# Altium PCB PCB-SM01.PcbDoc (part 2 of 4)
Units mm, origin at the board's own origin, x right, y up, seen from the top; angles counter-clockwise.
Board outline 208.23 x 194.9 mm, 2 copper layers (Top Layer, Bottom Layer); 394 components, 287 nets, 1171 pads, 418 vias.
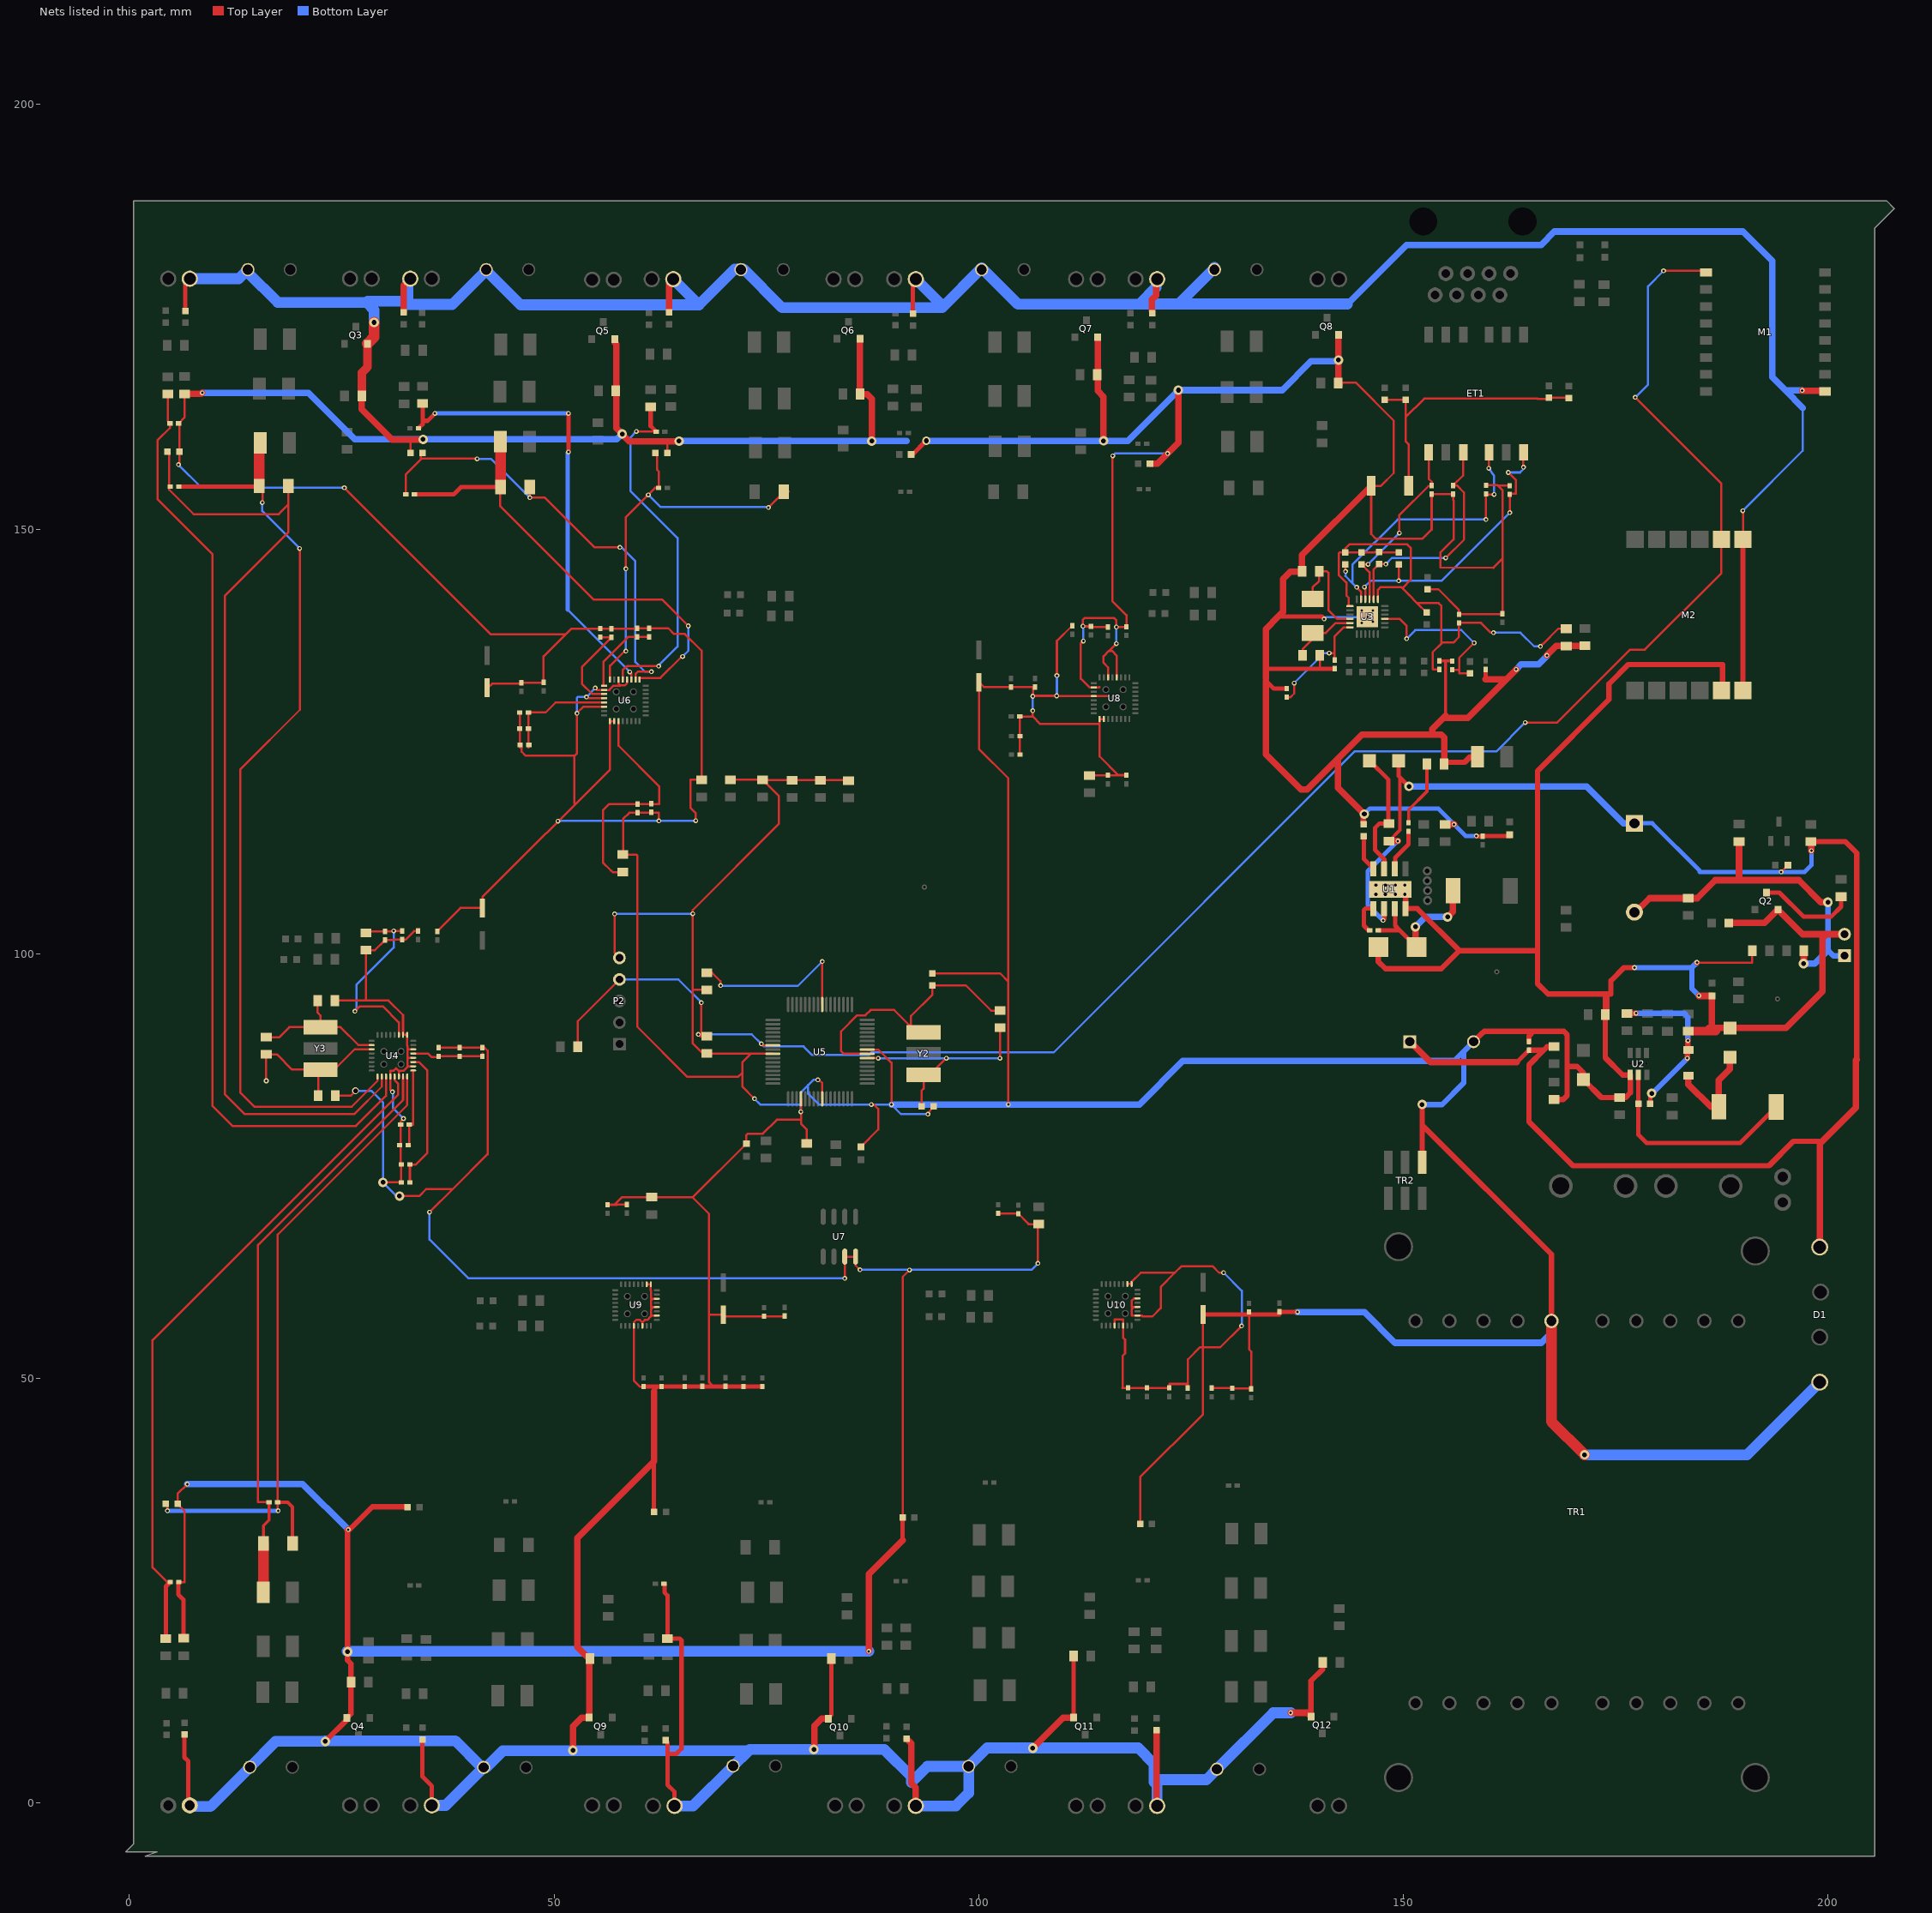
[diagram p2: the nets of this part, all layers, seen from the top]

## Via types
v1: diameter 0.559, hole 0.305, Top Layer to Bottom Layer, 383 vias
v2: diameter 1.118, hole 0.559, Top Layer to Bottom Layer, 31 vias
v3: diameter 0.813, hole 0.559, Top Layer to Bottom Layer, 3 vias
v4: diameter 0.965, hole 0.559, Top Layer to Bottom Layer, 1 vias

## Nets (pads, with @x,y where several pads share a name; then routed paths per layer and width w, separated by ;. In a path a pad name is that pad's centre, name@x,y a point inside that pad or via, vN(x,y) a via of type N, cw(c..) or ccw(c..) an arc to the next point about the centre after c; other vN are vias at no path point)
GND: BT1.2 C3.2 C4.2 C5.2 C6.2 C7.2 C10.2 C11.2 C12.2 C13.2 C14.2 C15.2 C16.2 C17.2 C18.2 C19.2 C20.2 C21.2 C22.2 C23.2 C24.2 C25.2 C26.2 C27.2 C28.2 C29.1 C30.2 C31.2 C32.2 C33.2 C34.2 C35.2 C36.2 C37.1 C38.1 C39.2 C40.2 C41.1 C42.1 C43.2 C44.2 C46.2 C47.2 C48.2 C49.2 C50.1 C51.2 C52.2 C53.2 C54.2 C56.2 C57.2 C58.2 C59.1 C60.1 C61.2 C62.2 C63.2 C64.2 C66.2 C67.2 C69.1 C71.2 C72.2 C73.2 C74.1 C76.2 C77.1 C78.2 C79.2 C80.2 C81.2 C82.2 C83.2 C85.2 C88.2 C89.2 C90.2 C91.2 C93.2 C94.2 C95.1 C97.2 C98.2 C99.2 C100.1 C101.2 C102.2 C104.1 C106.2 C107.2 C108.2 C109.2 C110.2 C111.1 C112.2 C113.2 C114.2 C115.2 C116.2 C117.2 C118.2 C122.2 C123.2 C124.2 C125.2 D1.4 D2.1 D4.2 D7.A D8.2 D15.2 D16.2 L5.1 L6.1 L8.1 L9.1 L11.1 L12.1 L14.1 L15.1 L17.1 L18.1 L20.1 L21.1 L23.1 L24.1 L26.1 L27.1 L29.1 L30.1 L32.1 L33.1 M1.15 M2.1 M2.11 M2.12 P1.2 P2.5 P3.2 P6.2 P8.2 P10.2 P12.2 P14.2 P16.2 P19.2 P21.2 pad.1@145.059,138.963 pad.1@145.085,140.411 pad.1@146.38,140.437 pad.1@146.406,139.09 Q2.E Q3.E Q4.E Q5.E Q6.E Q7.E Q8.E Q9.E Q10.E Q11.E Q12.E R6.2 R7.1 R8.1 R15.1 R16.2 R21.1 R37.1 R44.1 R53.1 R55.1 R63.1 R71.1 R83.1 R89.1 R97.1 R114.1 R116.1 R123.1 R127.1 R135.1 TB1.2 TB2.2 TB3.2 TB4.2 TB5.2 TB6.2 TB7.2 TB8.2 TB9.2 TB10.2 TR1.6 TR2.1 U1.4 U1.10 U1.11 U1.12 U1.13 U1.14 U1.15 U1.16 U1.17 U2.1 U3.25 U4.12 U4.14 U4.18 U4.20 U4.22 U4.25 U4.26 U5.9 U5.20 U5.25 U5.41 U6.12 U6.14 U6.18 U6.20 U6.22 U6.25 U6.26 U7.3 U7.4 U8.12 U8.14 U8.18 U8.20 U8.25 U8.26 U9.12 U9.14 U9.18 U9.20 U9.22 U9.25 U9.26 U10.12 U10.14 U10.18 U10.20 U10.22 U10.25 U10.26 | length 2662.2
  Top Layer w0.254: C50.1@5.761,25.973 C50.1@5.812,26.023 6.502,26.023 6.502,34.381 L9.1@5.666,35.218 5.666,36.418 v1(6.802,37.555) ; v1(5.761,157.595) 5.869,157.703 5.869,162.364 C37.1@5.786,162.447 6.498,163.158 R44.1@6.498,165.927 ; C57.2@24.176,94.476 24.176,94.488 27.813,94.488 ; C51.2@24.252,83.275 26.03,83.275 v3(26.614,83.859) ; v1(25.294,154.852) 25.299,154.858 42.526,137.631 51.379,137.631 ; v2(29.845,73.09) C52.2@31.999,73.09 C54.2@31.999,75.172 31.923,75.249 C56.2@31.923,79.871 31.923,80.259 v1(32.258,80.594) ; v1(30.958,83.732) 30.708,83.982 U4.12@30.708,85.549 30.708,86.233 31.108,86.233 31.388,86.512 31.708,86.192 ; U4.14@31.708,85.549 31.708,86.192 ; v2(31.801,71.476) 34.112,71.476 34.925,72.288 38.049,72.288 ; L12.1@33.091,158.942 33.091,160.44 33.168,160.516 ; U4.18@33.408,86.749 32.797,86.749 ; U4.20@33.408,87.749 32.715,87.749 ; U4.22@33.408,88.749 32.721,88.749 ; C32.2@33.955,102.681 33.955,102.667 33.514,102.667 32.512,101.665 C35.2@32.101,101.665 31.115,101.665 31.064,101.614 C29.1@30.094,101.614 28.9,100.42 C42.1@27.859,100.42 27.859,94.534 27.813,94.488 ; v1(35.331,69.571) 38.049,72.288 ; C31.2@36.241,102.63 36.241,102.671 38.955,105.385 C33.2@41.55,105.385 ; C30.2@36.419,88.939 C34.2@38.883,88.939 C38.1@41.55,88.939 41.82,88.939 42.164,88.595 42.164,76.403 38.049,72.288 ; C33.2@41.55,105.373 C33.2@41.55,105.385 ; C60.1@42.108,131.316 42.225,131.316 42.697,131.789 45.817,131.789 46.147,132.119 C58.2@46.147,131.916 48.712,131.916 C59.1@48.763,131.967 48.763,135.015 51.379,137.631 ; C66.2@45.944,128.411 C64.2@45.944,126.506 45.944,124.296 46.163,124.296 46.163,123.789 46.646,123.305 52.395,123.305 ; 52.395,117.729 52.395,123.305 ; v1(52.68,128.321) v1(52.68,128.321) v1@52.662,128.322 ; v1(53.797,130.226) 53.951,130.072 U6.20@55.871,130.072 ; v1(54.839,131.293) 55.059,131.072 U6.18@55.871,131.072 56.504,131.072 57.002,131.569 57.784,131.569 57.811,131.597 ; U6.22@55.871,129.072 53.412,129.072 v1@52.662,128.322 ; C98.2@56.282,70.448 57.113,70.448 ; U6.26@57.071,127.372 U6.25@56.571,127.372 56.571,121.701 41.55,106.68 C33.2@41.55,105.385 ; v1(57.12,104.687) 57.12,102.814 57.099,102.794 57.099,100.101 P2.5@57.683,99.517 ; U6.14@57.571,132.272 57.571,131.837 57.811,131.597 ; C67.2@58.085,111.672 C67.2@58.11,111.672 ; C93.2@58.542,70.473 57.404,70.473 57.379,70.448 57.113,70.448 ; U6.12@58.571,132.272 58.571,131.837 58.33,131.597 57.811,131.597 ; C109.2@60.385,49.01 60.133,49.01 59.384,49.759 U9.12@59.384,56.187 59.384,56.591 59.689,56.896 60.08,56.896 60.384,56.591 ; U9.14@60.384,56.187 60.384,56.591 ; U9.26@60.884,61.087 U9.25@61.384,61.087 61.384,60.358 61.392,60.351 61.392,59.817 61.398,59.811 61.398,59.387 61.648,59.387 ; L27.1@61.762,34.278 L27.1@61.762,34.29 ; 61.762,48.463 62.334,49.036 ; U9.18@62.084,57.387 61.398,57.387 ; U9.20@62.084,58.387 61.664,58.387 ; U9.22@62.084,59.387 61.648,59.387 ; v1(62.327,115.635) 62.327,116.6 C63.2@59.838,116.6 58.847,116.6 58.11,115.863 C67.2@58.11,111.672 ; 63.056,160.313 63.324,160.045 L15.1@63.324,158.942 ; v1(66.67,115.66) 66.67,116.549 66.035,117.184 66.035,120.486 C36.2@67.356,120.486 67.356,135.692 65.391,137.656 64.096,137.656 63.435,138.317 C72.2@61.189,138.317 C74.1@59.761,138.317 59.711,138.266 C71.2@56.739,138.266 56.713,138.291 C73.2@55.418,138.291 52.04,138.291 51.379,137.631 ; C48.2@67.991,95.746 66.331,95.746 66.319,95.735 ; 68.778,49.061 68.322,49.518 68.224,49.518 68.224,57.596 ; C102.2@70.175,49.061 C102.2@70.201,49.036 ; C39.2@70.76,120.486 C40.2@74.193,120.486 ; v1(73.579,82.936) 72.172,84.343 72.172,86.015 ; C97.2@74.722,57.316 C97.2@74.722,57.277 ; U5.9@75.755,88.218 73.15,88.218 ; C99.2@77.135,57.342 77.135,57.277 C97.2@74.722,57.277 ; v1(79.045,81.389) v1@79.055,81.399 ; U5.20@79.055,82.918 v1@79.055,81.399 ; C41.1@79.751,77.662 79.751,79.287 79.055,79.983 79.055,80.452 ; v1(81.047,85.146) 81.195,85.146 81.555,84.785 U5.25@81.555,82.918 ; v1(84.222,61.773) U7.3@84.222,64.339 U7.4@85.492,64.339 85.492,63.302 v1(86.004,62.789) ; C47.2@84.653,120.384 84.603,120.435 C46.2@81.351,120.435 C43.2@77.999,120.435 75.135,120.435 75.085,120.486 C40.2@74.544,120.486 76.475,118.556 76.475,115.311 66.319,105.156 v1(66.319,104.713) 66.319,95.735 ; D15.2@86.101,77.257 88.163,79.319 88.163,81.712 87.63,82.245 v1(87.351,82.245) ; U5.41@86.855,88.718 88.167,88.718 89.713,87.173 v1(89.713,82.245) ; L30.1@91.029,33.618 91.029,61.939 v1(91.842,62.752) ; P10.2@92.248,179.099 P10.2@92.575,179.426 ; v1(94.001,81.116) C49.2@94.661,82.056 C49.2@94.801,81.916 ; C44.2@94.488,97.688 102.503,97.688 103.48,96.712 ; C113.2@102.256,69.432 104.618,69.432 C115.2@104.669,69.381 105.812,68.238 105.812,68.162 C117.2@107.036,68.162 ; v1(103.48,82.245) 103.48,96.712 ; C82.2@104.846,123.432 C85.2@104.846,125.642 104.846,126.771 104.821,126.797 C79.2@104.821,127.928 106.345,127.928 ; v1(106.345,128.614) 106.345,127.928 ; v1@106.366,130.337 106.366,131.175 C80.2@106.599,131.408 C76.2@103.805,131.408 100.579,131.408 C77.1@100.02,131.967 100.02,124.109 103.48,120.65 103.48,96.712 ; v1@106.396,130.367 v1(109.164,130.367) 109.194,130.337 U8.20@113.522,130.337 114.444,130.337 114.425,130.356 115.093,130.356 115.108,130.341 ; v1(106.966,63.539) 106.966,68.072 C117.2@107.056,68.162 ; v1(109.19,132.754) 109.19,136.83 110.981,138.622 C88.2@111.019,138.622 ; Q11.E@111.146,10.081 Q11.E@111.166,10.061 ; v1@112.263,138.545 C90.2@113.203,138.545 113.203,138.491 115.163,138.491 C89.2@115.184,138.469 ; v1(112.263,138.571) 112.263,139.333 112.466,139.536 115.895,139.536 116.2,139.231 v1(116.2,138.469) 117.343,138.469 C91.2@117.369,138.495 117.369,139.857 115.748,141.478 115.748,158.598 v1(115.773,158.623) ; v1(112.296,136.826) 112.009,136.539 112.009,132.383 113.055,131.337 U8.18@113.522,131.337 114.137,131.337 114.208,131.408 ; C83.2@113.025,120.994 115.184,120.994 C81.2@115.184,121.019 C78.2@117.369,121.019 117.369,121.031 116.417,121.031 114.209,123.239 114.209,127.052 ; U8.26@114.722,127.637 U8.25@114.222,127.637 114.209,127.624 114.209,127.052 ; U8.14@115.222,132.537 115.222,133.713 114.676,134.258 114.676,135.029 115.297,135.65 115.337,135.65 ; U10.12@115.976,56.212 115.976,56.921 116.976,56.921 U10.14@116.976,56.212 116.976,54.794 117.216,54.553 117.216,52.946 116.942,52.671 116.942,48.939 116.886,48.883 C125.2@117.546,48.883 C124.2@119.807,48.883 C122.2@122.423,48.883 122.423,49.347 124.608,49.347 ; v1(116.2,136.513) 115.337,135.65 ; U8.12@116.222,132.537 116.222,135.11 115.681,135.65 115.337,135.65 ; U10.26@117.476,61.112 U10.25@117.976,61.112 117.976,61.352 119.07,62.447 123.084,62.447 ; U10.20@118.676,58.412 118.28,58.412 ; U10.22@118.676,59.412 118.264,59.412 117.983,59.131 117.983,58.412 118.28,58.412 ; L33.1@118.994,32.856 118.994,38.374 126.386,45.765 126.386,53.64 ; C123.2@124.608,48.858 124.608,49.347 ; C111.1@126.386,57.519 126.386,53.64 ; C118.2@127.427,48.858 129.815,48.858 C116.2@129.84,48.833 C114.2@131.999,48.833 ; TB6.2@127.736,180.836 TB6.2@127.951,181.052 ; v1(128.824,62.447) 128.289,62.447 127.508,63.228 123.865,63.228 123.084,62.447 ; v1(130.932,56.173) 128.399,53.64 126.386,53.64 ; C112.2@131.821,57.519 131.821,53.416 132.075,53.162 C114.2@132.075,48.756 ; 135.377,57.519 135.377,57.824 C110.2@135.377,57.85 ; C27.2@137.993,144.972 C27.2@138.044,145.022 ; 140.152,133.553 C28.2@140.152,135.142 ; v1@140.57,139.536 140.66,139.536 v1(140.66,139.409) ; C19.2@141.866,133.553 C19.2@141.88,133.567 ; R97.1@142.497,167.002 142.743,167.247 144.36,167.247 148.844,162.763 148.844,156.591 147.345,155.092 146.192,155.092 146.192,149.424 146.758,148.858 152.217,148.858 153.31,149.95 C20.2@153.31,154.116 C21.2@155.85,154.116 155.85,153.43 155.9,153.379 155.9,148.788 154.33,147.218 154.33,145.491 160.579,145.44 161.641,146.502 ; R37.1@152.827,142.914 154.097,142.914 156.535,140.476 C15.2@156.535,139.968 ; C26.2@155.6,134.315 C26.2@155.723,134.315 ; C15.2@156.535,139.954 C15.2@156.535,139.968 ; C22.2@159.71,155.157 161.061,155.157 161.112,155.106 ; C23.2@162.504,155.106 161.112,155.106 ; C10.2@171.166,85.205 171.166,85.993 ; R16.2@175.458,83.072 176.144,83.072 ; v1@184.526,98.947 191.054,98.947 R15.1@191.054,100.369 ; v1(189.936,152.16) 189.962,152.134 M2.1@189.962,148.782 ; 27.813,94.488 30.505,94.488 32.208,92.786 U4.26@32.208,90.449 U4.25@32.708,90.449 32.708,89.167 32.721,89.154 32.721,88.749 ; 31.708,86.192 31.708,86.233 32.106,86.233 32.113,86.24 32.288,86.24 32.797,86.749 ; 32.715,87.749 32.715,88.749 32.721,88.749 ; 32.715,87.749 32.715,87.153 32.721,87.147 32.721,86.749 32.797,86.749 ; 52.395,123.305 52.662,123.572 v1@52.662,128.322 ; 57.113,70.448 58.002,71.337 C101.2@61.489,71.337 66.259,71.337 ; C67.2@58.11,111.672 59.669,111.672 59.792,111.55 59.792,91.398 65.693,85.496 71.653,85.496 72.172,86.015 ; 60.384,56.591 60.664,56.871 60.774,56.871 60.782,56.878 60.965,56.878 61.398,57.311 61.398,57.387 ; 61.398,57.387 61.398,57.785 61.392,57.791 61.392,58.115 61.664,58.387 ; 61.648,59.387 61.392,59.131 61.392,58.387 61.664,58.387 ; 66.259,71.337 66.339,71.337 D16.2@72.639,77.638 72.639,78.652 72.802,78.815 74.575,78.815 76.212,80.452 79.055,80.452 ; 66.259,71.337 68.224,69.372 68.224,57.596 ; 66.319,95.735 66.319,89.433 67.499,88.253 C69.1@67.991,88.253 69.058,88.218 73.15,88.218 ; 68.224,57.596 68.326,57.494 C95.1@69.921,57.494 69.921,57.277 C97.2@74.722,57.277 ; 72.172,86.015 72.172,87.173 72.187,87.173 72.146,87.214 73.15,88.218 ; 79.055,80.452 v1@79.055,81.399 ; 106.345,127.928 107.221,127.052 114.209,127.052 ; 118.28,58.412 117.983,58.115 117.983,57.816 117.989,57.81 117.989,57.412 U10.18@118.676,57.412 119.168,57.412 119.304,57.277 120.421,57.277 121.407,58.263 121.407,60.771 123.084,62.447 ; 124.608,49.347 124.608,52.238 126.009,53.64 126.386,53.64 ; C15.2@156.535,139.968 161.565,139.968 C17.2@161.641,140.044 161.641,146.502 ; 161.112,155.106 161.641,154.578 161.641,154.208 ; 161.641,146.502 161.646,146.507 161.646,154.203 161.641,154.208 ; 161.641,146.502 161.641,154.208
  Top Layer w0.381: C14.2@154.199,134.481 154.961,134.481 ; 154.961,128.041 154.961,134.481 ; C26.2@155.723,134.481 154.961,134.481
  Top Layer w0.508: C50.1@5.761,25.973 5.761,24.55 6.371,23.941 R53.1@6.371,19.394 ; L8.1@6.472,8.059 6.472,5.385 6.929,4.928 6.929,-0.101 P3.2@7.104,-0.276 ; L5.1@6.574,175.686 6.574,178.95 P1.2@7.104,179.48 ; L23.1@34.484,7.495 34.484,3.121 35.603,2.002 P14.2@35.603,-0.276 ; C109.2@60.549,49.05 C107.2@65.395,49.05 C106.2@67.333,49.05 ; L27.1@61.762,34.29 61.762,40.248 ; C104.1@62.936,25.846 62.987,25.795 62.987,24.804 63.343,24.449 R116.1@63.343,19.369 64.791,19.369 64.994,19.165 64.994,6.415 64.359,5.78 63.363,5.78 ; L26.1@63.114,7.399 63.363,7.15 63.363,5.78 ; P16.2@64.178,-0.33 64.178,1.321 63.363,2.135 63.363,5.78 ; C106.2@67.458,49.061 68.778,49.061 C102.2@70.175,49.061 ; C102.2@70.201,49.036 C100.1@72.309,49.036 C94.2@74.519,49.036 ; Q10.E@82.621,10.363 R123.1@82.621,17.032 ; 91.029,30.951 L30.1@91.029,33.618 ; L18.1@92.026,158.789 92.19,158.789 v4(93.802,160.401) ; L17.1@92.248,175.375 P10.2@92.248,179.099 ; Q11.E@111.146,10.081 R127.1@111.146,17.311 ; C111.1@126.386,57.519 131.821,57.519 135.377,57.519 ; 133.777,132.449 133.777,132.17 134.717,131.23 C18.2@136.241,131.23 ; 133.777,133.618 133.842,133.553 140.152,133.553 C19.2@141.866,133.553 ; 135.264,139.714 140.393,139.714 v1@140.57,139.536 ; C110.2@135.377,57.824 v1(137.511,57.824) ; v1@158.547,113.831 C3.2@159.304,113.831 ; C3.2@159.43,113.855 D4.2@162.504,113.855 ; 159.66,132.304 C25.2@159.66,133.465
  Top Layer w0.635: v2(23.058,7.253) 25.595,9.789 Q4.E@25.595,10.015 26.081,10.501 R63.1@26.081,14.238 26.081,16.416 25.675,16.822 v2(25.675,17.819) 25.675,31.967 v1@25.751,32.043 ; v1@25.827,32.119 28.596,34.888 L24.1@32.533,34.888 ; Q12.E@139.107,10.193 139.107,14.386 140.483,15.762 R135.1@140.483,16.549 ; C7.2@145.258,115.508 v2@145.258,116.574 ; D2.1@147.036,100.776 147.036,99.074 147.874,98.236 154.446,98.236 156.557,100.347 ; U1.4@149.896,107.236 U1.17@150.147,106.985 150.247,106.885 U1.4@150.247,105.286 ; U1.4@150.281,105.319 151.619,105.319 156.557,100.381 156.557,100.347 ; TR2.1@152.195,75.444 152.195,79.823 ; v2(152.195,82.245) 152.195,79.823 ; R8.1@154.808,122.543 157.196,122.543 157.856,123.204 C4.2@158.72,123.204 ; C5.2@158.237,89.65 159.279,90.692 159.329,90.692 159.507,90.87 165.298,90.87 ; D4.2@162.504,113.855 D4.2@162.504,114.008 ; C6.2@164.765,89.65 164.765,90.336 165.298,90.87 ; TR1.6@167.411,56.76 167.411,64.606 152.195,79.823 ; R7.1@167.711,82.843 168.804,82.843 169.261,83.3 169.261,86.729 ; C10.2@171.166,85.205 173.299,83.072 R16.2@175.458,83.072 ; 171.166,85.993 170.429,86.729 169.261,86.729 ; C11.2@173.934,92.876 173.934,95.25 ; 176.144,83.072 176.703,83.631 176.703,85.725 175.793,85.725 173.757,87.762 C11.2@173.757,92.851 173.757,95.072 173.934,95.25 ; v1(177.186,98.363) 175.941,98.363 174.417,96.839 174.417,95.25 173.934,95.25 ; v1@184.526,98.947 v1(184.552,98.972) ; v1@184.78,95.034 v1(184.78,95.061) ; M2.11@187.422,131.002 187.574,131.154 187.574,134.05 176.468,134.05 174.188,131.77 174.188,129.935 165.781,121.527 165.781,100.462 ; M2.12@189.962,131.002 189.962,133.389 ; 189.962,133.542 M2.1@189.962,148.782 ; 156.557,100.347 165.666,100.347 165.781,100.462 ; 165.298,90.87 168.871,90.87 169.261,90.48 169.261,86.729 ; 165.781,100.462 165.781,96.469 167,95.25 173.934,95.25
  Top Layer w0.762: R44.1@6.498,165.927 8.464,165.927 v1(8.577,166.04) ; v1@25.675,32.119 v1(25.751,32.196) ; R55.1@27.351,165.673 27.351,164.098 30.932,160.516 33.168,160.516 v2@34.514,160.516 ; L11.1@32.304,175.502 32.304,178.722 P6.2@33.063,179.48 ; v2(52.218,6.211) 52.218,9.056 53.222,10.061 Q9.E@54.136,10.061 54.136,16.969 52.726,18.378 52.726,31.212 61.762,40.248 61.762,48.463 ; Q5.E@57.099,172.005 57.302,171.802 57.302,161.869 58.841,160.331 v2@64.697,160.331 ; L14.1@63.521,175.528 P8.2@63.521,178.921 ; v2(80.589,6.313) 80.64,6.364 80.64,9.082 81.497,9.939 Q10.E@82.287,9.939 ; Q6.E@86.003,172.41 86.003,165.923 R83.1@86.025,165.901 86.838,165.901 87.397,165.342 v2(87.397,160.364) ; v1(87.046,17.856) 87.046,26.968 91.029,30.951 ; L29.1@91.507,7.597 92.065,7.038 92.065,2.313 92.575,1.803 P19.2@92.575,-0.33 ; v2(106.345,6.465) 109.94,10.061 Q11.E@111.166,10.061 ; Q7.E@113.995,172.644 113.995,166.268 114.681,165.583 v2(114.681,160.389) ; L21.1@120.143,157.697 121.026,157.697 123.49,160.161 v2(123.49,166.358) ; L20.1@120.391,175.655 120.391,177.026 120.874,177.509 120.874,179.302 P12.2@120.997,179.426 ; L32.1@120.92,8.581 120.92,-0.253 P21.2@120.997,-0.33 ; 133.777,132.17 133.777,123.483 137.931,119.329 138.64,119.329 142.291,122.98 ; 133.777,132.449 133.777,133.618 133.777,138.227 135.264,139.714 135.814,140.264 135.814,144.113 136.673,144.972 C27.2@137.993,144.972 ; v1(136.723,10.631) 138.669,10.631 Q12.E@139.107,10.193 ; C27.2@138.044,145.022 138.044,146.945 C24.2@146.192,155.092 ; v2@142.316,170.231 142.316,167.183 R97.1@142.497,167.002 ; v2(142.342,169.901) Q8.E@142.342,172.691 ; v2@145.258,116.574 142.291,119.541 142.291,122.98 ; R8.1@154.808,122.543 154.808,125.439 154.453,125.795 153.386,125.795 ; 154.808,127.787 157.563,127.787 v1(163.266,133.491) ; R6.2@154.91,115.228 v1(155.956,115.228) ; 154.961,128.041 153.386,126.467 153.386,125.795 ; 159.66,132.304 161.98,132.304 ; v1(166.878,135.128) 167.984,136.234 C13.2@169.159,136.234 C16.2@171.348,136.234 ; v1@184.78,95.034 D8.2@186.304,95.034 186.304,91.352 186.406,91.251 ; 185.53,90.857 185.568,90.895 185.923,91.251 186.406,91.251 ; 186.761,90.895 186.406,91.251 ; D7.A@188.285,103.62 192.499,103.62 Q2.E@194.08,105.202 196.983,102.3 199.766,102.3 ; v1(196.926,166.319) 196.957,166.288 M1.15@199.268,166.288 ; BT1.2@201.925,102.3 199.766,102.3 ; 142.291,122.98 145.105,125.795 153.386,125.795 ; 186.406,91.251 C12.2@188.438,91.251 195.016,91.251 199.309,95.543 199.309,101.842 199.766,102.3
  Top Layer w1.016: R55.1@27.351,165.673 27.351,168.402 28.015,169.066 Q3.E@28.015,171.826 ; R21.1@183.536,90.895 185.568,90.895 186.761,90.895
  Top Layer w1.27: Q3.E@28.015,171.826 28.799,172.61 v2(28.799,174.334) ; TR1.6@167.411,56.76 167.411,44.916 v2(171.318,41.009)
  Bottom Layer w0.254: v1(5.761,157.595) 8.504,154.852 v1(25.294,154.852) ; v3(26.614,83.859) 28.485,83.859 29.845,82.499 v2(29.845,73.09) 31.459,71.476 v2(31.801,71.476) ; v1@30.856,83.732 31.034,83.554 31.034,81.818 v1(32.258,80.594) ; v1(35.331,69.571) 35.331,66.354 39.912,61.773 v1(84.222,61.773) ; 36.576,17.819 36.576,17.856 ; v1(50.44,115.609) 50.465,115.635 v1(62.327,115.635) 66.645,115.635 v1(66.67,115.66) ; v1(52.68,128.321) 52.68,130.124 52.781,130.226 v1(53.797,130.226) 54.839,131.267 v1(54.839,131.293) ; v1@57.12,104.713 v1(66.319,104.713) ; v1(73.579,82.936) 74.27,82.245 79.045,82.245 ; v1(79.045,81.389) 79.045,82.245 ; v1(81.047,85.146) 80.523,85.146 79.908,84.531 ; v1(86.004,62.789) v1@91.842,62.789 ; v1(89.713,82.245) v1(87.351,82.245) 81.178,82.245 79.908,83.515 79.908,84.531 ; v1@89.86,82.098 90.842,81.116 v1(94.001,81.116) ; v1(91.842,62.752) v1@91.842,62.789 ; v1(106.345,128.614) v1(106.345,130.316) ; v1(106.966,63.539) 106.216,62.789 v1@91.842,62.789 ; v1@109.19,130.367 v1(109.19,132.754) ; v1(112.263,138.571) 112.296,138.537 v1(112.296,136.826) ; v1(115.773,158.623) 116.053,158.902 v1(122.225,158.902) ; v1(116.2,136.513) v1(116.2,138.469) ; v1(128.824,62.447) 130.958,60.313 130.958,56.173 v1(130.932,56.173) ; v1(140.66,139.409) 140.889,139.638 v1(145.715,139.638) ; v1(189.936,152.16) 197.002,159.226 197.002,164.287 ; 79.045,82.245 79.045,83.668 79.908,84.531
  Bottom Layer w0.508: v2@145.512,116.574 146.02,117.082 154.102,117.082 v1(155.956,115.228) 157.302,113.882 v1(158.567,113.882)
  Bottom Layer w0.635: v2(152.195,82.245) 154.529,82.245 157.094,84.811 157.094,88.507 ; 155.951,87.364 157.094,88.507 ; C5.2@158.237,89.65 157.094,88.507 ; v1(177.186,98.363) 183.942,98.363 ; v1(184.552,98.972) 183.942,98.363 ; v1(184.78,95.061) 183.942,95.899 183.942,98.363
  Bottom Layer w0.762: v1(6.802,37.555) 20.391,37.555 v1(25.751,32.196) ; v1(8.577,166.04) 21.074,166.04 26.546,160.567 v2(34.565,160.567) 57.374,160.567 v2(58.009,161.202) ; v2(64.714,160.364) v2(87.397,160.364) 91.461,160.364 91.486,160.389 ; v1(89.713,82.245) v1(103.48,82.245) 118.893,82.245 124.012,87.364 155.951,87.364 ; v4@93.802,160.389 v2(114.681,160.389) 117.521,160.389 v2(123.49,166.358) 135.707,166.358 139.111,169.762 142.203,169.762 v2(142.342,169.901) ; v1(137.511,57.824) 145.385,57.824 149.017,54.192 166.213,54.192 167.411,55.391 TR1.6@167.411,56.76 ; 143.383,176.505 150.343,183.464 166.192,183.464 167.767,185.039 189.941,185.039 193.396,181.585 193.396,167.894 194.97,166.319 ; v1(163.266,133.491) 163.832,134.056 165.882,134.056 v1@166.916,135.09 ; v1(196.926,166.319) 194.97,166.319 ; 197.002,164.287 194.97,166.319
  Bottom Layer w1.27: P3.2@6.929,-0.403 9.536,-0.403 TB2.2@14.168,4.23 17.191,7.253 v2(23.058,7.253) ; P1.2@7.104,179.48 12.867,179.48 TB1.2@13.944,180.557 13.944,180.198 17.455,176.686 27.9,176.686 ; v2@23.058,7.304 38.353,7.304 38.353,7.329 41.489,4.193 TB7.2@41.701,4.193 ; v2@25.638,17.856 36.576,17.856 v1(87.046,17.856) ; v2(28.799,174.334) 28.799,175.787 27.9,176.686 ; P6.2@32.761,179.052 32.761,176.458 ; P14.2@35.603,-0.276 37.232,-0.276 TB7.2@41.701,4.193 ; P8.2@64.025,179.426 67.044,176.407 ; P16.2@64.178,-0.33 66.358,-0.33 TB8.2@71.06,4.371 71.078,4.371 72.868,6.161 ; P19.2@92.575,-0.33 97.274,-0.33 98.796,1.192 TB9.2@98.796,4.32 ; P10.2@92.575,179.426 95.667,176.333 95.667,176.073 ; TB5.2@100.329,180.735 95.667,176.073 ; TB5.2@100.344,180.75 100.433,180.661 104.614,176.479 118.643,176.479 ; v2(106.345,6.465) 106.32,6.491 100.967,6.491 TB9.2@98.796,4.32 ; v2@106.345,6.491 118.766,6.491 120.615,4.641 120.615,2.491 ; 120.874,178.456 118.923,176.505 123.537,176.505 ; P12.2@120.874,179.426 P12.2@120.874,179.516 ; P21.2@120.997,-0.33 120.997,2.109 120.615,2.491 ; TB6.2@127.736,180.836 127.736,180.703 123.537,176.505 ; v1(136.723,10.631) 136.72,10.628 134.669,10.628 TB10.2@128.032,3.99 126.799,2.757 120.881,2.757 120.615,2.491 ; 143.383,176.505 123.537,176.505 ; v2(171.318,41.009) 190.454,41.009 D1.4@199.006,49.561 ; 27.9,176.686 28.059,176.845 32.374,176.845 32.761,176.458 ; 32.761,176.458 38.009,176.458 42.007,180.455 46.055,176.407 67.044,176.407 ; TB7.2@41.701,4.193 41.98,4.193 43.948,6.161 72.868,6.161 ; 67.044,176.407 71.27,180.633 72.284,180.633 76.844,176.073 95.667,176.073 ; 72.868,6.161 73.02,6.313 v2(80.589,6.313) 88.844,6.313 92.065,3.092 92.065,2.441 93.945,4.32 TB9.2@98.796,4.32
  other v2: 145.385,116.447
NetBT1_1: BT1.1 D5.1 R10.1 R11.2 R12.2 | length 42.7
  Top Layer w0.254: D5.1@177.25,104.828 D5.1@177.313,104.89
  Top Layer w0.762: D5.1@177.25,104.828 178.964,106.541 R11.2@183.536,106.541 184.57,106.541 186.69,108.661 196.529,108.661 199.131,106.059 v2(199.969,106.059) ; 189.505,108.878 R10.1@189.505,113.222 ; v2(197.099,98.845) 197.125,98.871 R12.2@197.125,100.369
  Bottom Layer w0.635: v2(199.969,106.059) 199.969,100.395 200.604,99.76 BT1.1@201.925,99.76
  Bottom Layer w0.762: v2(197.099,98.845) 198.42,98.845 199.969,100.395
NetBT3: Q2.C R9.1 | length 11.6
  Top Layer w0.508: Q2.C@192.73,107.202 194.254,107.202 197.074,104.382 200.376,104.382 201.519,105.525 R9.1@201.519,106.719
NetC1_1: C1.1 U1.1 | length 4
  Top Layer w0.508: C1.1@146.02,102.757 145.893,102.757 145.334,103.316 145.334,105.144 145.509,105.319 U1.1@146.471,105.319
NetC1_2: C1.2 D2.2 L1.1 U1.3 | length 18
  Top Layer w0.508: C1.2@147.036,102.731 149.58,102.731 ; U1.3@149.011,105.319 149.011,103.301 149.58,102.731 ; D2.2@151.536,100.776 151.405,100.907 149.58,102.731
  Top Layer w0.762: D2.2@151.405,100.907 v2(151.405,103.163) ; v2(155.189,104.332) 155.831,104.973 L1.1@155.831,107.43
  Bottom Layer w0.762: v2(151.405,103.163) 152.573,104.332 v2(155.189,104.332)
NetC2_1: C2.1 C5.1 C6.1 D1.1 D3.1 D5.2 R1.2 R3.2 R4.2 U1.2 | length 201.3
  Top Layer w0.254: v1(194.471,109.626) D3.1@195.272,110.428 ; R4.2@197.963,113.196 R4.2@198.014,113.145
  Top Layer w0.381: R1.2@148.28,113.272 149.576,114.568 149.576,120.765 149.423,120.918
  Top Layer w0.508: v1(147.595,103.925) 147.772,104.103 147.772,105.288 U1.2@147.741,105.319 ; 149.423,120.918 C2.1@149.423,122.721 ; 149.576,120.765 v2(150.643,119.699) ; 163.343,87.212 C6.1@164.765,88.634
  Top Layer w0.635: C6.1@164.765,88.634 166.492,88.634 ; R3.2@167.711,89.066 166.924,89.066 166.492,88.634 ; R4.2@197.963,113.196 202.027,113.196 203.348,111.875 203.348,87.542 ; 199.006,77.789 198.866,77.928 195.918,77.928 193.035,75.045 169.947,75.045 164.765,80.227 164.765,86.907 166.492,88.634
  Top Layer w0.762: R1.2@148.28,113.272 v1(149.327,113.272) ; C5.1@150.737,89.65 153.176,87.212 163.343,87.212 ; v1(198.014,112.129) R4.2@198.014,113.145 ; D1.1@199.006,65.461 199.006,77.789 199.182,77.789 203.271,81.878 203.271,87.466 203.348,87.542
  Bottom Layer w0.254: 184.882,109.626 184.882,109.762
  Bottom Layer w0.508: v1(147.595,103.925) 145.785,105.734 145.785,109.731 v1(149.327,113.272) ; D5.2@177.186,115.353 179.291,115.353 184.882,109.762 ; 184.882,109.626 v1(194.471,109.626) 197.212,109.626 198.014,110.428 v1(198.014,112.129)
  Bottom Layer w0.762: v2(150.643,119.699) 171.547,119.699 175.893,115.353 D5.2@177.186,115.353
NetC2_2: C2.2 R1.1 U1.7 | length 15.4
  Top Layer w0.254: R1.1@148.26,115.304 R1.1@148.28,115.304
  Top Layer w0.508: C2.2@145.994,122.721 148.23,120.486 148.23,115.304 147.137,115.304 146.629,114.796 146.629,112.236 147.741,111.125 U1.7@147.741,110.018
NetC4_2: 
NetC7_1: C7.1 U1.8 | length 4.4
  Top Layer w0.508: C7.1@145.309,113.857 145.309,113.501 145.334,113.526 145.334,111.155 U1.8@146.471,110.018
NetC8_1: C8.1 U1.6 | length 5.1
  Top Layer w0.508: U1.6@149.011,110.018 149.011,111.303 150.592,112.884 C8.1@150.592,114.415 C8.1@150.592,114.466
NetC8_2: C8.2 R8.2 | length 7.7
  Top Layer w0.381: C8.2@150.617,115.482 150.617,116.973 152.751,119.106 R8.2@152.751,122.34
NetC9_1: C9.1 D6.K R14.1 | length 19.4
  Top Layer w0.254: v1@177.357,92.978 v1(177.368,92.989) ; C9.1@179.167,82.183 C9.1@179.192,82.208 ; D6.K@183.409,88.66 D6.K@183.485,88.736
  Top Layer w0.508: C9.1@179.05,82.35 179.05,83.387 v2(179.218,83.554)
  Top Layer w0.635: R14.1@176.322,92.978 v1@177.357,92.978 ; v1(183.409,87.695) D6.K@183.409,88.66 ; D6.K@183.485,88.736 v1(183.485,89.777)
  Bottom Layer w0.635: v1(177.368,92.989) 183.041,92.989 183.485,92.546 v1(183.485,89.777) ; v2@179.268,83.554 v1(183.409,87.695)
NetC9_2: C9.2 L2.2 U2.2 | length 25.4
  Top Layer w0.508: U2.2@177.653,85.734 C9.2@177.653,82.35 177.653,78.678 178.593,77.738 189.657,77.738 L2.2@193.873,81.954
NetC12_1: C12.1 D6.A L2.1 | length 12.1
  Top Layer w0.762: D6.A@183.536,85.637 183.536,84.621 186.178,81.979 L2.1@187.123,81.979 187.123,85.11 188.438,86.425 C12.1@188.438,87.822
NetC13_1: C13.1 C14.1 C15.1 L3.2 R23.2 R24.2 R25.2 R26.2 U3.1 U3.19 | length 67.7
  Top Layer w0.254: U3.1@143.74,140.938 143.539,140.938 143.539,141.914 143.277,142.176 143.277,143.702 142.362,144.616 142.362,147.105 142.515,147.258 R25.2@143.15,147.258 ; U3.19@146.99,141.688 146.99,142.843 147.315,143.168 149.728,143.168 149.855,143.041 ; R24.2@147.163,147.258 R26.2@149.449,147.258 ; R24.2@147.163,147.283 R24.2@147.137,147.283 146.604,147.283 146.579,147.258 R23.2@145.055,147.258 R25.2@143.15,147.258 ; 151.602,141.295 150.622,142.274 ; L3.2@152.725,140.171 151.606,141.29 ; C14.1@154.199,133.465 153.513,133.465 153.437,133.542 153.437,135.509 154.453,136.525 ; v1(160.599,137.809) 160.269,137.809 159.126,138.952 C15.1@156.535,138.952 156.535,137.308 155.868,136.64 154.568,136.64 154.453,136.525 ; v1(166.116,136.195) 166.4,136.479 166.413,136.466 168.213,138.266 C13.1@169.159,138.266 ; R25.2@143.15,147.258 143.15,147.715 143.632,148.197 150.439,148.197 150.846,147.791 150.846,144.032 149.855,143.041 ; 149.855,143.041 150.622,142.274 ; 150.622,142.274 150.622,142.265 151.597,141.29 151.606,141.29 ; 151.606,141.29 154.124,141.29 154.453,140.962 154.453,136.525
  Bottom Layer w0.254: v1(160.599,137.809) 163.765,137.809 165.379,136.195 v1(166.116,136.195)
NetC18_1: C18.1 C19.1 U3.6 | length 13.7
  Top Layer w0.254: C18.1@136.241,130.214 136.698,130.214 137.13,130.646 v1(137.13,131.865) ; v1(141.245,135.396) 141.88,135.396 ; C19.1@141.88,134.544 C19.1@141.88,134.583 141.88,135.396 ; U3.6@143.74,138.438 142.955,138.438 141.88,137.363 141.88,135.396
  Bottom Layer w0.254: v1@137.219,131.776 v1(137.13,131.865) 140.66,135.396 v1@141.219,135.396
NetC20_1: C20.1 ET1.1 R23.1 U3.21 | length 21.6
  Top Layer w0.254: v1(145.83,145.861) R23.1@145.055,145.861 146.01,144.905 146.01,142.18 145.99,142.16 U3.21@145.99,141.688 ; v1(149.516,149.546) 149.516,151.649 152.933,155.067 ; ET1.1@152.959,159.055 152.959,155.931 153.31,155.58 C20.1@153.31,155.132
  Bottom Layer w0.254: v1(145.83,145.861) v1(149.516,149.546)
NetC21_1: C21.1 ET1.3 R24.1 U3.20 | length 27.2
  Top Layer w0.254: U3.20@146.49,141.688 146.49,145.239 R24.1@147.137,145.886 v1(147.913,145.886) ; v1(154.965,146.609) 157.12,148.763 157.12,154.31 156.298,155.132 C21.1@155.85,155.132 157.023,156.305 ET1.3@157.023,159.055
  Bottom Layer w0.254: v1(147.913,145.886) 148.636,146.609 v1(154.965,146.609)
NetC22_1: C22.1 ET1.4 R25.1 U3.23 | length 34.1
  Top Layer w0.254: v1@143.15,145.048 R25.1@143.15,145.861 ; v1(144.482,143.147) 144.99,142.639 U3.23@144.99,141.688 ; v1(159.71,151.13) C22.1@159.71,154.076 ; C22.1@159.71,154.141 C22.1@159.71,154.076 ; v1(160.045,157.15) ET1.4@160.045,159.055 ; v1(160.655,154.076) C22.1@159.71,154.076
  Bottom Layer w0.254: v1(143.175,145.022) 143.175,144.496 143.154,144.475 143.988,143.642 ; v1(144.482,143.147) 143.988,143.642 ; v1(159.71,151.13) 149.301,151.13 143.988,145.817 143.988,143.642 ; v1(160.045,157.15) 160.655,156.286 v1(160.655,154.076)
NetC23_1: C23.1 ET1.6 R26.1 U3.22 | length 33.9
  Top Layer w0.254: v1(145.39,143.18) 145.49,143.079 U3.22@145.49,141.688 ; v1@149.423,143.921 149.449,143.947 R26.1@149.449,145.861 ; v1(162.331,156.667) 163.241,155.758 163.241,154.148 162.504,154.148 C23.1@162.504,154.09 ; v1(162.504,151.943) C23.1@162.504,153.888 ; v1(164.135,157.277) 164.109,157.277 164.109,159.029 ET1.6@164.135,159.055
  Bottom Layer w0.254: v1(145.39,143.18) 146.126,143.916 v1(149.428,143.916) 154.478,143.916 v1(162.504,151.943) ; v1(162.331,156.667) 163.728,156.667 164.236,157.175 v1(164.135,157.277)
NetC24_1: C24.1 R27.2 R28.1 R33.1 R34.2 | length 32.5
  Top Layer w0.254: R34.2@147.798,165.241 R28.1@150.236,165.241 150.236,163.424 ; C24.1@150.592,155.106 150.592,159.995 150.236,160.35 150.236,163.158 152.446,165.368 165.786,165.368 165.811,165.342 R33.1@167,165.342 ; R33.1@167.102,165.469 169.439,165.469 R27.2@169.464,165.444
NetC26_1: C26.1 R36.1 U3.15 | length 19.9
  Top Layer w0.254: U3.15@147.74,139.438 149.537,139.438 150.368,138.608 v1(150.368,137.084) ; C26.1@155.748,133.44 156.54,133.44 156.566,133.415 ; R36.1@157.805,133.008 156.586,133.008 156.566,133.029 156.566,133.415 ; v1(158.318,136.601) 156.566,134.849 156.566,133.415
  Bottom Layer w0.254: v1(150.368,137.084) 151.384,138.1 156.82,138.1 v1(158.318,136.601)
NetC27_1: C27.1 U3.4 Y1.2 | length 12.1
  Top Layer w0.254: Y1.2@139.289,141.771 139.289,143.117 140.076,143.905 C27.1@140.076,145.022 140.982,145.022 141.148,144.856 141.148,140.465 142.175,139.438 U3.4@143.74,139.438
NetC28_1: C28.1 U3.5 Y1.1 | length 8
  Top Layer w0.254: C28.1@138.12,135.142 138.12,135.865 139.289,137.033 Y1.1@139.289,137.771 140.845,137.771 142.013,138.938 U3.5@143.74,138.938
NetC29_2: C29.2 C35.1 C42.2 U4.27 | length 24.4
  Top Layer w0.254: v1(26.538,93.232) 27.076,93.77 27.076,93.802 29.82,93.802 31.708,91.914 U4.27@31.708,90.449 ; C42.2@27.859,102.452 28.037,102.63 C29.2@30.094,102.63 31.064,102.63 v1@31.101,102.667 ; v1@31.101,102.667 32.101,102.667 C35.1@32.101,102.681 v1(31.115,102.681) v1@31.101,102.667
  Bottom Layer w0.254: v1(26.538,93.232) 26.538,93.257 26.727,93.446 26.727,96.341 31.115,100.73 v1(31.115,102.681)
NetC30_1: C30.1 C34.1 C38.2 U4.21 | length 8.7
  Top Layer w0.254: U4.21@33.408,88.249 35.145,88.249 35.547,87.847 36.343,87.847 C30.1@36.419,87.923 C34.1@38.883,87.923 C38.2@41.55,87.923 41.55,88.249
NetC37_2: C37.2 R40.1 U4.11 | length 112.4
  Top Layer w0.254: R40.1@4.516,165.901 4.516,162.701 C37.2@4.77,162.447 4.77,161.909 3.297,160.435 3.297,153.522 9.749,147.071 9.749,82.107 12.136,79.719 26.665,79.719 30.208,83.262 U4.11@30.208,85.549
NetC44_1: C44.1 R49.2 U5.40 Y2.2 | length 33.8
  Top Layer w0.254: U5.40@86.855,88.218 84.099,88.218 83.784,88.534 83.784,90.87 85.663,92.749 86.635,92.749 87.27,93.384 90.029,93.384 Y2.2@91.999,91.415 ; Y2.2@93.493,90.753 Y2.2@92.66,90.753 ; R49.2@102.484,93.308 101.443,93.308 98.485,96.266 94.534,96.266 94.534,95.194 91.999,92.659 Y2.2@91.999,91.415 ; Y2.2@91.999,91.415 91.999,90.753 Y2.2@92.66,90.753 ; Y2.2@91.999,91.415 Y2.2@92.66,90.753
NetC45_1: C45.1 L6.2 R48.2 U4.10 | length 117.8
  Top Layer w0.254: L6.2@4.669,159.119 4.669,154.635 7.551,151.753 17.572,151.753 18.69,152.871 ; R48.2@18.69,155.081 18.69,154.192 ; R48.2@19.096,155.005 19.096,154.598 18.69,154.192 ; U4.10@29.708,85.549 29.708,84.353 26.496,81.141 13.533,81.141 11.247,83.427 11.247,142.164 18.69,149.606 18.69,152.871 ; 18.69,152.871 18.69,154.192
NetC45_2: C45.2 R47.1 R48.1 U4.9 | length 109.7
  Top Layer w0.254: R47.1@15.388,160.059 R47.1@15.388,160.161 ; v1(15.642,153.125) 15.667,153.15 R48.1@15.667,155.005 ; v1(20.036,147.715) 20.066,147.715 20.066,128.727 13.056,121.717 13.056,83.642 14.693,82.005 26.174,82.005 29.208,85.039 U4.9@29.208,85.549
  Top Layer w0.508: C45.2@5.812,155.005 R48.1@15.667,155.005
  Top Layer w1.27: R48.1@15.286,155.081 R47.1@15.286,160.059
  Bottom Layer w0.254: v1(15.642,153.125) 15.642,152.109 v1(20.036,147.715)
NetC48_1: C48.1 U5.56 | length 20.8
  Top Layer w0.254: C48.1@67.991,97.778 68.575,97.778 69.591,96.762 v1(69.591,96.254) ; U5.56@81.555,94.018 v1(81.555,99.085)
  Bottom Layer w0.254: v1(69.591,96.254) 69.591,96.215 78.685,96.215 v1(81.555,99.085)
NetC49_1: C49.1 R49.1 U5.39 Y2.1 | length 26.9
  Top Layer w0.254: U5.39@86.855,87.718 88.151,87.718 v1(88.163,87.706) ; C49.1@93.01,82.056 93.269,82.315 93.269,83.901 93.493,84.125 Y2.1@93.493,85.014 ; Y2.1@93.493,85.753 Y2.1@93.493,85.014 ; v1(96.185,87.706) Y2.1@93.493,85.014 ; R49.1@102.484,91.276 102.489,91.276 v1(102.489,87.706)
  Bottom Layer w0.254: v1(88.163,87.706) v1(96.185,87.706) v1(102.489,87.706)
NetC50_2: C50.2 R50.1 U4.13 | length 79.6
  Top Layer w0.254: C50.2@4.796,26.023 4.431,26.023 2.718,27.737 2.718,54.508 31.644,83.434 31.644,84.688 31.208,85.124 U4.13@31.208,85.549
  Top Layer w0.508: R50.1@4.288,19.369 4.288,25.515 C50.2@4.796,26.023
NetC51_1: C51.1 R58.2 TP11.1 U4.3 Y3.2 | length 20.3
  Top Layer w0.254: TP11.1@16.104,85.039 16.104,88.152 17.348,88.152 19.148,86.352 Y3.2@22.22,86.352 ; C51.1@22.22,83.275 Y3.2@22.22,86.352 ; U4.3@28.508,88.749 26.506,88.749 24.109,86.352 Y3.2@22.474,86.352 Y3.2@22.22,86.352
NetC52_1: C52.1 C54.1 U4.19 | length 16.5
  Top Layer w0.254: C52.1@33.015,73.09 C54.1@33.015,75.172 33.706,75.172 35.077,76.544 35.077,86.259 34.087,87.249 U4.19@33.408,87.249
NetC53_1: C53.1 C56.1 U4.17 | length 9.3
  Top Layer w0.254: C53.1@33.015,77.408 32.939,77.484 C56.1@32.939,79.871 33.408,79.871 U4.17@33.408,86.249
NetC55_1: C55.1 L9.2 R59.2 U4.16 | length 77.6
  Top Layer w0.254: L9.2@4.466,35.218 4.466,34.422 v1(4.47,34.417) ; C55.1@17.445,35.391 17.445,34.472 v1(17.5,34.417) ; C55.1@17.445,35.421 17.445,66.924 32.708,82.187 U4.16@32.708,85.549
  Top Layer w0.381: C55.1@17.445,35.421 18.644,35.421 19.198,34.867 R59.2@19.198,30.57
  Bottom Layer w0.508: v1(4.47,34.417) v1(17.5,34.417)
NetC55_2: C55.2 R57.1 R59.1 U4.15 | length 69.4
  Top Layer w0.254: C55.2@16.429,35.421 15.138,35.421 15.138,65.703 32.208,82.772 U4.15@32.208,85.549
  Top Layer w0.381: R59.1@15.769,30.57 15.769,32.664 16.429,33.325 C55.2@16.429,35.421
  Top Layer w1.27: R57.1@15.769,24.804 R59.1@15.769,30.57
NetC57_1: C57.1 R58.1 U4.2 Y3.1 | length 17.3
  Top Layer w0.254: R58.1@16.104,90.195 16.115,90.184 17.653,90.184 18.821,91.352 Y3.1@22.474,91.352 Y3.1@23.058,91.352 ; C57.1@22.144,94.476 22.144,93.066 22.474,92.735 22.474,91.936 Y3.1@23.058,91.352 ; U4.2@28.508,89.249 26.945,89.249 24.842,91.352 Y3.1@23.058,91.352
NetC61_1: C61.1 C64.1 C66.1 U6.21 | length 13.5
  Top Layer w0.254: 46.96,124.296 C64.1@46.96,126.506 C66.1@46.96,128.411 48.995,128.411 50.156,129.572 U6.21@55.871,129.572
NetC62_1: C62.1 C63.1 C67.1 U6.27 | length 27.6
  Top Layer w0.254: U6.27@57.571,127.372 57.571,124.496 62.352,119.715 62.352,117.641 59.863,117.641 C63.1@59.838,117.616 56.459,117.616 55.748,116.905 55.748,110.732 56.663,109.818 56.688,109.818 56.917,109.589 58.034,109.589 C67.1@58.085,109.64
NetC65_2: C65.2 R61.1 U6.11 | length 55.2
  Top Layer w0.254: v1(58.898,133.186) 59.071,133.013 U6.11@59.071,132.272
  Top Layer w0.508: C65.2@34.031,161.863 34.514,162.345 34.514,162.752 ; R61.1@34.514,164.784 34.514,162.752 ; v1(35.962,163.615) 35.098,162.752 34.514,162.752 ; v1(51.684,159.069) v1(51.684,163.615)
  Bottom Layer w0.254: 51.583,140.501 v1(58.898,133.186) ; v1@51.583,158.967 v1(51.684,159.069) ; v1(51.684,163.615) v1@51.684,163.627
  Bottom Layer w0.508: v1(35.962,163.615) 35.962,163.627 v1@51.684,163.627 ; 51.583,140.501 v1@51.583,158.967
NetC68_1: C68.1 L12.2 R69.2 U6.10 | length 53.9
  Top Layer w0.254: C68.1@32.533,154.09 32.512,154.09 32.512,156.412 34.291,158.191 ; L12.2@34.291,158.942 34.291,158.318 40.747,158.318 v1@40.919,158.147 ; R69.2@47.138,154.954 v1(47.138,153.697) 48.902,153.697 54.758,147.842 v1(57.729,147.842) ; U6.10@59.571,132.272 59.571,132.926 59.868,133.223 60.156,133.223 60.168,133.211 v1(61.438,133.211)
  Bottom Layer w0.254: v1(40.919,158.267) 42.568,158.267 v1(47.138,153.697) ; v1(57.729,147.842) 57.933,147.842 59.563,146.211 59.563,134.35 60.701,133.211 v1(61.438,133.211)
NetC68_2: C68.2 R67.1 R69.1 U6.9 | length 56.8
  Top Layer w0.254: R69.1@43.658,155.63 R69.1@43.658,154.954 ; R69.1@43.709,154.954 R69.1@43.658,154.954 ; U6.9@60.071,132.272 60.071,132.486 62.509,132.486 v1@64.962,134.939 ; v1(65.801,138.596) 62.691,141.707 54.635,141.707 43.658,152.684 R69.1@43.658,154.954
  Top Layer w0.508: C68.2@33.549,154.09 38.176,154.09 39.04,154.954 R69.1@43.658,154.954
  Top Layer w1.27: R69.1@43.709,154.954 R67.1@43.709,160.262
  Bottom Layer w0.254: v1(65.121,134.995) 65.801,135.675 v1(65.801,138.596)
NetC69_2: C69.2 M1.1 M2.2 P2.4 R68.1 U5.7 | length 218.6
  Top Layer w0.254: R68.1@52.776,89.066 52.776,92.07 P2.4@57.683,96.977 ; v1(66.966,90.511) 67.192,90.285 67.308,90.285 ; v1(67.331,94.248) 67.308,94.225 67.308,90.285 ; C69.2@67.991,90.285 67.308,90.285 ; v1(74.397,89.383) 74.561,89.218 U5.7@75.755,89.218 ; v1@164.282,127.166 v1(164.333,127.217) 168.086,127.217 176.671,135.802 178.412,135.802 187.422,144.812 M2.2@187.422,148.782 187.422,155.351 v1(177.267,165.506) ; v1(180.619,180.416) 185.42,180.416 M1.1@185.623,180.213
  Bottom Layer w0.254: P2.4@57.683,96.977 64.627,96.977 v1@67.343,94.26 ; v1(66.966,90.511) 73.268,90.511 v1(74.397,89.383) 74.701,89.078 79.375,89.078 80.377,88.076 87.066,88.076 87.383,88.392 108.82,88.392 144.242,123.813 160.93,123.813 v1(164.333,127.217) ; v1(177.267,165.506) 178.791,167.03 178.791,178.587 v1(180.619,180.416)
NetC70_2: C70.2 R72.1 U6.13 | length 42.1
  Top Layer w0.254: U6.13@58.071,132.272 58.071,133.375 58.568,133.872 v1(62.301,133.872) ; v1(59.69,161.493) 59.702,161.482 C70.2@62.022,161.482
  Top Layer w0.508: R72.1@61.362,164.377 61.362,162.142 C70.2@62.022,161.482
  Bottom Layer w0.254: v1(59.69,161.493) 58.974,160.777 58.974,154.488 64.516,148.946 64.516,136.163 v1@62.306,133.953
NetC71_1: C71.1 C73.1 U6.19 | length 11.4
  Top Layer w0.254: C73.1@55.418,137.225 55.443,137.25 C71.1@56.739,137.25 56.739,137.225 53.264,133.75 53.264,131.801 54.493,130.572 U6.19@55.871,130.572 ; C73.1@55.418,137.25 C73.1@55.418,137.275
NetC72_1: C72.1 C74.2 U6.17 | length 9.5
  Top Layer w0.254: U6.17@55.871,131.572 55.799,131.572 55.799,134.373 58.674,137.248 58.674,137.301 C74.2@59.761,137.301 C72.1@61.189,137.301
NetC75_1: C75.1 L15.2 R84.2 U6.16 | length 47.3
  Top Layer w0.254: U6.16@56.571,132.272 56.571,133.915 58.28,135.624 v1(58.441,135.624) ; v1(58.445,145.313) 58.42,151.384 61.888,154.852 C75.1@62.301,154.852 62.301,156.794 62.124,156.972 L15.2@62.124,158.942 ; v1@61.079,154.043 v1(61.082,154.039) ; v1(75.23,152.541) 77.033,154.344 R84.2@77.033,154.395 ; R84.2@77.135,153.963 R84.2@77.592,154.42
  Bottom Layer w0.254: v1@58.445,135.739 v1(58.445,145.313) ; v1(61.082,154.039) 62.53,152.592 v1@75.23,152.592